# Altium PCB ROV_MAIN_PCB02.PcbDoc
Units mm, origin at the board's own origin, x right, y up, seen from the top; angles counter-clockwise.
Board outline 75.82 x 67.44 mm, 2 copper layers (Top Layer, Bottom Layer); 22 components, 47 nets, 162 pads, 4 vias.
Unrouted connection lines stored in the file: 11.
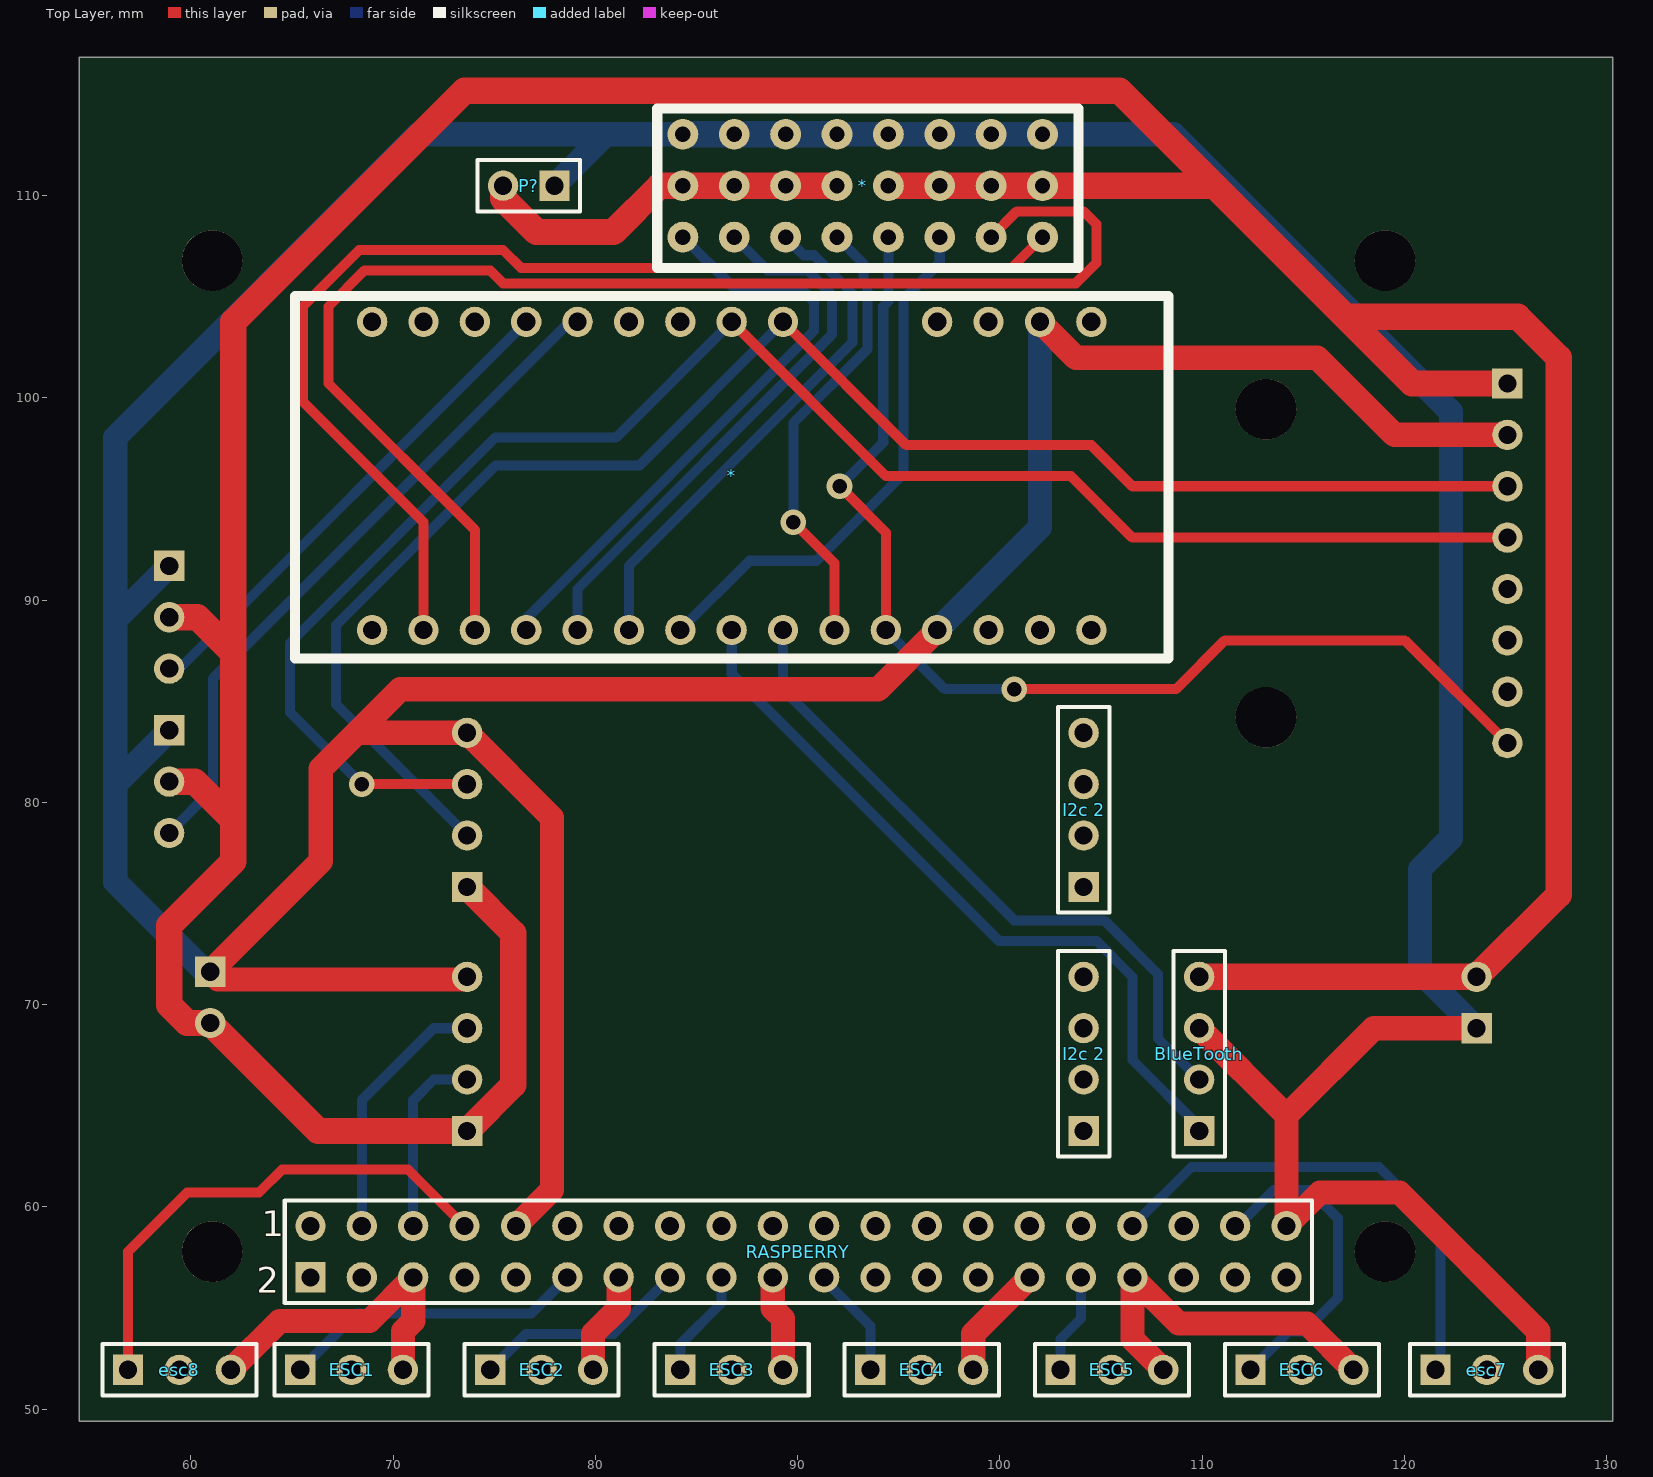
[diagram p0: Top Layer view]
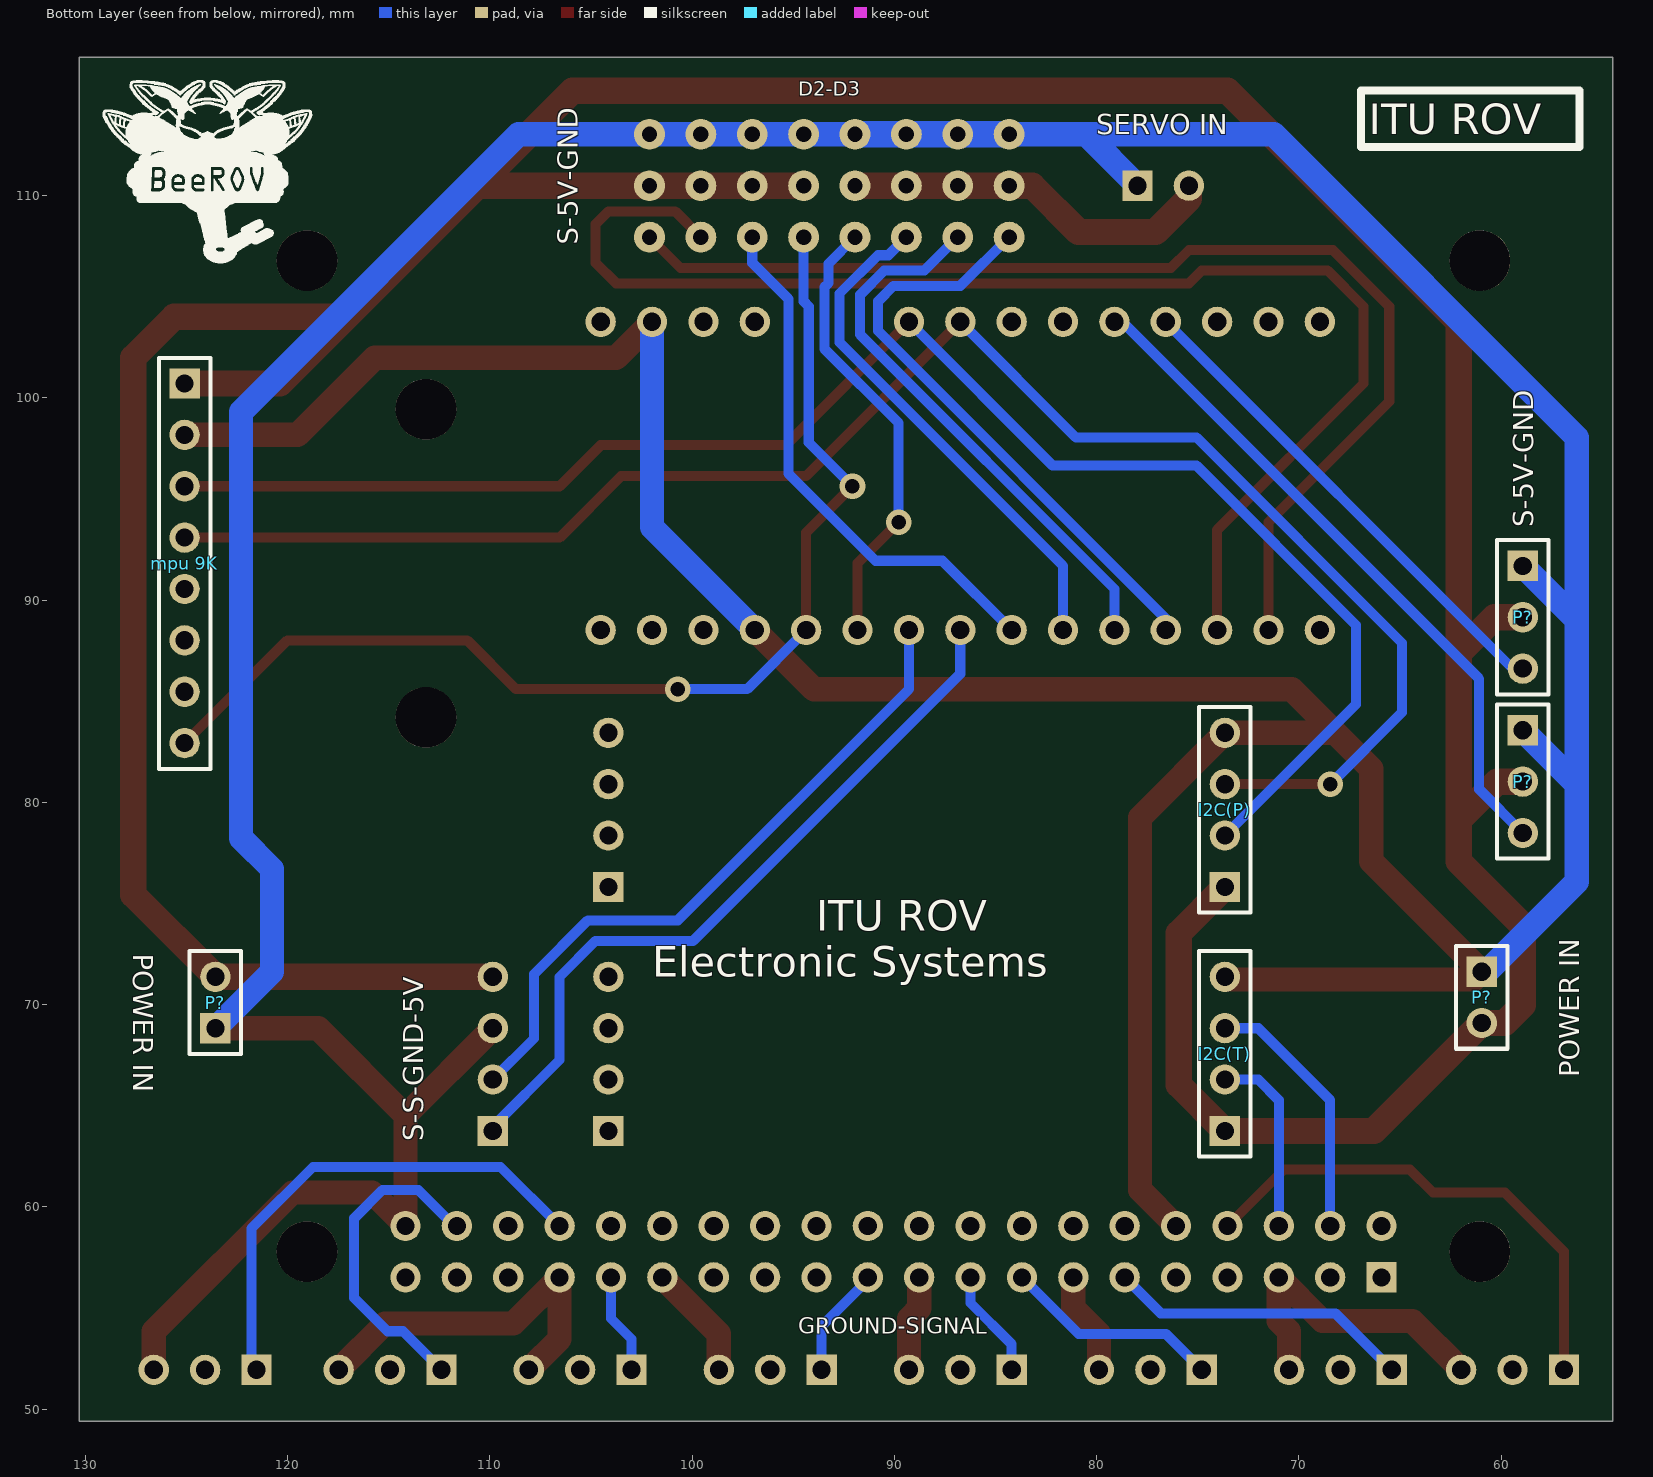
[diagram p1: Bottom Layer view, seen from below]

## Layer stack, top to bottom
Top Solder: solder mask 0.0102, Solder Resist, Dk 3.5
Top Layer: signal copper 0.0356
Dielectric 1: dielectric 0.32, FR-4, Dk 4.8
Bottom Layer: signal copper 0.0356
Bottom Solder: solder mask 0.0102, Solder Resist, Dk 3.5

## Board outline
54.483,49.403 130.302,49.403 130.302,116.84 54.483,116.84

## Design rules (kind name [scope] priority, off if disabled: settings)
Clearance [All] p1: gap=0.254
PolygonConnect [All] p1: connectstyle=Relief reliefconductorwidth=0.254 reliefentries=4 polygonreliefangle="90 Angle" airgapwidth=0.254
RoutingVias [All] p1: holewidth=0.711 width=1.27 viastyle="Through Hole" minholewidth=0.711 minwidth=1.27 maxholewidth=0.711 maxwidth=1.27
SolderMaskExpansion [All] p1: expansion=0.102
Width [All] p1: maxlimit=5.08 minlimit=0.051 preferedwidth=0.254
30 further rules are at their usual default settings.

## Classes and differential pairs
component class ROV_MAIN_SCHEMATIC01: 9K * BlueTooth ESC1 ESC2 ESC3 ESC4 ESC5 ESC6 esc7 esc8 "I2c 2" I2C(P) I2C(T) "mpu 9K" P? RASPBERRY

## Components (designator, comment, footprint, x,y, rotation, side; value= is the part's Value field where it differs from the comment)
* "Component_1" "Arduino Nano" -1144.778,1340.104 r90 top
* "Component_1" PCBComponent_1 -1160.907,-1151.89 r180 top
BlueTooth "Header 4" HDR1X4 109.855,63.754 r90 top
ESC1 "Header 3" HDR1X3 65.405,51.943 r0 top (schematic designator esc1)
ESC2 "Header 3" HDR1X3 74.803,51.943 r0 top (schematic designator esc2)
ESC3 "Header 3" HDR1X3 84.201,51.943 r0 top (schematic designator esc3)
ESC4 "Header 3" HDR1X3 93.599,51.943 r0 top (schematic designator esc4)
ESC5 "Header 3" HDR1X3 102.997,51.943 r0 top (schematic designator esc5)
ESC6 "Header 3" HDR1X3 112.395,51.943 r0 top (schematic designator esc6)
esc7 "Header 3" HDR1X3 121.539,51.943 r0 top
esc8 "Header 3" HDR1X3 56.896,51.943 r0 top
"I2c 2" "Header 4" HDR1X4 104.14,75.819 r90 top
"I2c 2" "Header 4" HDR1X4 104.14,63.754 r90 top
I2C(P) "Header 4" HDR1X4 73.66,75.819 r90 bottom
I2C(T) "Header 4" HDR1X4 73.66,63.754 r90 bottom
"mpu 9K" "DIREK RASP" HDR1X8 125.095,100.711 r270 bottom
P? "Header 2" HDR1X2 77.978,110.49 r180 top
P? "Header 3" HDR1X3 58.928,83.566 r270 bottom
P? "Header 3" HDR1X3 58.928,91.694 r270 bottom
P? "Header 2" HDR1X2 60.96,71.628 r270 bottom
P? "Header 2" HDR1X2 123.571,68.834 r90 bottom
RASPBERRY "Header 20X2" HDR2X20 65.913,56.515 r0 top

## Footprints (in the part's own frame and the unit in brackets; to place one, negate y for a bottom-side part, rotate by r counter-clockwise, add the part's x,y. Pads: shape width x height; smd on the part's side, far side on the other; paste and mask are expansions set on the pad)
"Arduino Nano" [mm]
  round 1.5 hole 0.9: 1(-1236.345,-1213.739) 2(-1236.345,-1216.279) 3(-1236.345,-1218.819) 4(-1236.345,-1221.359) 5(-1236.345,-1223.899) 6(-1236.345,-1226.439) 7(-1236.345,-1228.979) 8(-1236.345,-1231.519) 9(-1236.345,-1234.059) 12(-1236.345,-1241.679) 13(-1236.345,-1244.219) 14(-1236.345,-1246.759) 15(-1236.345,-1249.299) 16(-1251.585,-1249.299) 17(-1251.585,-1246.759) 18(-1251.585,-1244.219) 19(-1251.585,-1241.679) 20(-1251.585,-1239.139) 21(-1251.585,-1236.599) 22(-1251.585,-1234.059) 23(-1251.585,-1231.519) 24(-1251.585,-1228.979) 25(-1251.585,-1226.439) 26(-1251.585,-1223.899) 27(-1251.585,-1221.359) 28(-1251.585,-1218.819) 29(-1251.585,-1216.279) 30(-1251.585,-1213.739)
  silkscreen extent -1252.98,-1253.11 -1235.08,-1209.93, body extent -1253.11,-1253 -1235.11,-1208, height 8.5
HDR1X2 [mm] "Connector; Header; 2 Position"
  rect 1.5x1.5 hole 0.9: 1(0,0)
  round 1.5 hole 0.9: 2(2.54,0)
  silkscreen extent -1.27,-1.27 3.81,1.27
HDR1X3 [mm] "Connector; Header; 3 Position"
  rect 1.5x1.5 hole 0.9: 1(0,0)
  round 1.5 hole 0.9: 2(2.54,0) 3(5.08,0)
  silkscreen extent -1.27,-1.27 6.35,1.27
HDR1X4 [mm] "Connector; Header; 4 Position"
  rect 1.5x1.5 hole 0.9: 1(0,0)
  round 1.5 hole 0.9: 2(2.54,0) 3(5.08,0) 4(7.62,0)
  silkscreen extent -1.27,-1.27 8.89,1.27
HDR1X8 [mm] "Connector; Header; 8 Position"
  rect 1.5x1.5 hole 0.9: 1(0,0)
  round 1.5 hole 0.9: 2(2.54,0) 3(5.08,0) 4(7.62,0) 5(10.16,0) 6(12.7,0) 7(15.24,0) 8(17.78,0)
  silkscreen extent -1.27,-1.27 19.05,1.27
HDR2X20 [mm] "Connector; Header; 20x2 Position"
  rect 1.5x1.5 hole 0.9: 1(0,0)
  round 1.5 hole 0.9: 2(0,2.54) 3(2.54,0) 4(2.54,2.54) 5(5.08,0) 6(5.08,2.54) 7(7.62,0) 8(7.62,2.54) 9(10.16,0) 10(10.16,2.54) 11(12.7,0) 12(12.7,2.54) 13(15.24,0) 14(15.24,2.54) 15(17.78,0) 16(17.78,2.54) 17(20.32,0) 18(20.32,2.54) 19(22.86,0) 20(22.86,2.54) 21(25.4,0) 22(25.4,2.54) 23(27.94,0) 24(27.94,2.54) 25(30.48,0) 26(30.48,2.54) 27(33.02,0) 28(33.02,2.54) 29(35.56,0) 30(35.56,2.54) 31(38.1,0) 32(38.1,2.54) 33(40.64,0) 34(40.64,2.54) 35(43.18,0) 36(43.18,2.54) 37(45.72,0) 38(45.72,2.54) 39(48.26,0) 40(48.26,2.54)
  silkscreen extent -1.27,-1.27 49.53,3.81
PCBComponent_1 [mil]
  round 60 hole 30: 1(-49725,-49600) 2(-49625,-49600) 3(-49525,-49600) 4(-49425,-49600) 5(-49325,-49600) 6(-49225,-49600) 7(-49125,-49600) 8(-49025,-49600) 9(-49725,-49700) 9(-49625,-49700) 9(-49525,-49700) 9(-49425,-49700) 9(-49325,-49700) 9(-49225,-49700) 9(-49125,-49700) 9(-49025,-49700) 10(-49725,-49800) 10(-49625,-49800) 10(-49525,-49800) 10(-49425,-49800) 10(-49325,-49800) 10(-49225,-49800) 10(-49125,-49800) 10(-49025,-49800)
  silkscreen extent -49795,-49850 -48975,-49540

## Part data
BlueTooth "I2c 2" "I2c 2" I2C(P) I2C(T): "Header, 4-Pin"
ESC1 ESC2 ESC3 ESC4 ESC5 ESC6 esc7 esc8 P? P?: "Header, 3-Pin"
"mpu 9K": library part "Header 8", "Header, 8-Pin"
P? P? P?: "Header, 2-Pin"
RASPBERRY: "Header, 20-Pin, Dual row"

## Free pads (board coordinates)
  round 3 hole 3: 0(113.161,99.441) 1(61.051,106.785) 1(113.161,84.201) 3(119.041,106.785) 4(61.051,57.785) 5(119.041,57.785)

## Via types
v1: diameter 1.27, hole 0.711, Top Layer to Bottom Layer, 4 vias

## Nets (pads, with @x,y where several pads share a name; then routed paths per layer and width w, separated by ;. In a path a pad name is that pad's centre, name@x,y a point inside that pad or via, vN(x,y) a via of type N, cw(c..) or ccw(c..) an arc to the next point about the centre after c; other vN are vias at no path point)
3.3V: RASPBERRY.2 RASPBERRY.18
5V: "mpu 9K.1" *.9@84.328,110.49 *.9@86.868,110.49 *.9@89.408,110.49 *.9@91.948,110.49 *.9@94.488,110.49 *.9@97.028,110.49 *.9@99.568,110.49 *.9@102.108,110.49 *.12 BlueTooth.4 I2C(P).1 I2C(T).1 P?.2 RASPBERRY.1 RASPBERRY.3 | length 240.3
  Top Layer w1.3: P?.2@58.928,81.026 60.198,81.026 62.103,79.121 ; P?.2@58.928,89.154 60.325,89.154 62.103,87.376 ; 73.66,75.819 75.946,73.533 75.946,66.04 73.66,63.754 66.294,63.754 60.96,69.088 59.817,69.088 58.928,69.977 58.928,73.914 62.103,77.089 62.103,79.121 ; P?.2@75.438,110.49 75.438,109.855 77.089,108.204 80.899,108.204 83.185,110.49 84.328,110.49 86.868,110.49 89.408,110.49 *.9@91.948,110.49 ; *.9@94.488,110.49 97.028,110.49 99.568,110.49 102.108,110.49 110.617,110.49 ; BlueTooth.4 123.571,71.374 127.635,75.438 127.635,101.981 125.603,104.013 117.094,104.013 ; 125.095,100.711 120.396,100.711 117.094,104.013 ; 62.103,79.121 62.103,87.376 ; 62.103,87.376 62.103,103.759 73.533,115.189 105.918,115.189 110.617,110.49 ; 110.617,110.49 117.094,104.013
A1: *.5@79.121,103.759 P?.3@58.928,78.486 | length 33.9
  Bottom Layer w0.5: P?.3@58.928,78.486 61.087,80.645 61.087,86.106 78.74,103.759 *.5@79.121,103.759
A01: *.4@76.581,103.759 P?.3@58.928,86.614 | length 24.8
  Bottom Layer w0.5: P?.3@58.928,86.614 59.436,86.614 *.4@76.581,103.759
D2: "mpu 9K.8" *.4@94.488,107.95 *.20 | length 55.9
  Top Layer w0.5: v1@92.202,95.504 94.361,93.345 *.20 ; v1@101.092,85.598 108.712,85.598 111.125,88.011 120.015,88.011 125.095,82.931
  Bottom Layer w0.5: v1(92.075,95.631) 94.234,97.79 94.234,104.521 94.488,104.775 *.4@94.488,107.95 ; *.20 97.282,85.598 v1(100.711,85.598)
D3: *.5@91.948,107.95 *.21 | length 22.2
  Top Layer w0.5: v1@89.916,93.726 91.821,91.821 *.21
  Bottom Layer w0.5: v1(89.789,93.853) 89.789,98.756 93.464,102.431 93.464,105.468 93.26,105.672 93.26,106.638 *.5@91.948,107.95
D4: *.22 BlueTooth.2 | length 33.4
  Bottom Layer w0.5: *.22 89.281,85.598 100.711,74.168 105.156,74.168 107.823,71.501 107.823,68.326 BlueTooth.2
D5: *.23 BlueTooth.1 | length 37.2
  Bottom Layer w0.5: *.23 86.741,86.36 99.949,73.152 104.775,73.152 106.561,71.366 106.561,67.26 109.855,63.966 BlueTooth.1
D6: *.3@97.028,107.95 *.24 | length 26.7
  Bottom Layer w0.5: *.24 87.63,91.948 90.932,91.948 95.242,96.258 95.242,104.894 97.028,106.68 *.3@97.028,107.95
D7: *.6@89.408,107.95 *.25 | length 25.7
  Bottom Layer w0.5: *.25 81.661,91.694 92.71,102.743 92.71,105.156 90.813,107.053 90.305,107.053 *.6@89.408,107.95
D8: *.7@86.868,107.95 *.26 | length 27.8
  Bottom Layer w0.5: *.26 79.121,90.551 91.694,103.124 91.694,105.106 90.501,106.299 88.519,106.299 *.7@86.868,107.95
D9: *.8@84.328,107.95 *.27 | length 29.9
  Bottom Layer w0.5: *.27 76.581,89.077 90.805,103.301 90.805,104.775 90.043,105.537 86.741,105.537 *.8@84.328,107.95
D10: *.2@99.568,107.95 *.28 | length 66.3
  Top Layer w0.5: *.28 74.041,93.472 66.802,100.711 66.802,104.521 68.58,106.299 74.803,106.299 75.438,105.664 103.759,105.664 104.775,106.68 104.775,108.585 104.14,109.22 100.838,109.22 *.2@99.568,107.95
D11: *.1@102.108,107.95 *.29 | length 57.2
  Top Layer w0.5: *.29 71.501,93.853 65.532,99.822 65.532,104.521 68.326,107.315 75.438,107.315 76.335,106.418 100.576,106.418 *.1@102.108,107.95
GPIO02: I2C(T).3 RASPBERRY.4 | length 12.9
  Bottom Layer w0.5: RASPBERRY.4 68.453,65.278 72.009,68.834 73.66,68.834
GPIO03: I2C(T).2 RASPBERRY.6 | length 9.3
  Bottom Layer w0.5: RASPBERRY.6 70.993,65.278 72.009,66.294 73.66,66.294
GPIO04: esc8.1 RASPBERRY.8 | length 25.3
  Top Layer w0.5: esc8.1 56.896,57.785 59.817,60.706 63.373,60.706 64.516,61.849 70.739,61.849 RASPBERRY.8
GPIO05: RASPBERRY.30
GPIO06: RASPBERRY.32
GPIO07: RASPBERRY.25
GPIO08: RASPBERRY.23
GPIO09: RASPBERRY.22
GPIO10: RASPBERRY.20
GPIO11: RASPBERRY.24
GPIO12: ESC5.1 RASPBERRY.31 | length 5
  Bottom Layer w0.5: ESC5.1 102.997,53.467 104.013,54.483 RASPBERRY.31
GPIO13: esc7.1 RASPBERRY.34 | length 24.8
  Bottom Layer w0.5: RASPBERRY.34 109.474,61.976 118.745,61.976 121.793,58.928 121.793,52.197 esc7.1
GPIO14: RASPBERRY.7
GPIO15: RASPBERRY.9
GPIO16: RASPBERRY.35
GPIO17: RASPBERRY.12
GPIO18: ESC1.1 RASPBERRY.11 | length 15.1
  Bottom Layer w0.5: ESC1.1 68.199,54.737 76.835,54.737 RASPBERRY.11
GPIO19: RASPBERRY.36
GPIO20: RASPBERRY.37
GPIO21: RASPBERRY.39
GPIO22: RASPBERRY.16
GPIO23: ESC2.1 RASPBERRY.15 | length 11
  Top Layer w0.5: ESC2.1 ESC2.1@75.057,51.943
  Bottom Layer w0.5: ESC2.1 76.581,53.721 80.899,53.721 RASPBERRY.15
GPIO24: ESC3.1 RASPBERRY.17 | length 5.4
  Bottom Layer w0.5: ESC3.1 84.201,53.213 86.233,55.245 RASPBERRY.17
GPIO25: ESC4.1 RASPBERRY.21 | length 5.5
  Bottom Layer w0.5: RASPBERRY.21 91.313,56.388 93.599,54.102 ESC4.1
GPIO26: ESC6.1 RASPBERRY.38 | length 16.1
  Bottom Layer w0.5: RASPBERRY.38 111.76,59.055 113.538,60.833 115.316,60.833 116.713,59.436 116.713,55.499 115.062,53.848 114.3,53.848 ESC6.1
GPIO27: RASPBERRY.14
GROUND: "mpu 9K.2" *.10 *.14 *.19 BlueTooth.3 ESC1.3 ESC2.3 ESC3.3 ESC4.3 ESC5.3 ESC6.3 esc7.3 esc8.3 I2C(P).4 I2C(T).4 P?.1 RASPBERRY.5 RASPBERRY.10 RASPBERRY.13 RASPBERRY.19 RASPBERRY.26 RASPBERRY.29 RASPBERRY.33 RASPBERRY.40 | length 373.4
  Top Layer w1.2: esc8.3 64.389,54.356 68.834,54.356 RASPBERRY.5 70.993,54.356 70.485,53.848 ESC1.3 ; 73.66,71.374 73.533,71.247 61.341,71.247 60.96,71.628 66.421,77.089 66.421,81.661 68.199,83.439 ; RASPBERRY.10 77.851,60.833 77.851,79.248 73.66,83.439 68.199,83.439 ; ESC2.3 79.883,53.721 81.153,54.991 RASPBERRY.13 ; RASPBERRY.19 88.773,54.991 89.281,54.483 ESC3.3 ; *.19 93.98,85.598 70.358,85.598 68.199,83.439 ; ESC4.3 98.679,53.721 RASPBERRY.29 ; *.14 103.759,101.981 115.697,101.981 119.507,98.171 125.095,98.171 ; ESC5.3 106.553,53.467 RASPBERRY.33 108.839,54.229 115.189,54.229 ESC6.3 ; BlueTooth.3 114.173,64.516 ; P?.1@123.571,68.834 118.491,68.834 114.173,64.516 ; esc7.3 126.619,53.848 119.761,60.706 115.824,60.706 RASPBERRY.40 114.173,64.516
  Bottom Layer w1.2: P?.1@58.928,83.566 56.261,80.899 ; P?.1@58.928,91.694 56.261,89.027 ; P?.1@60.96,71.628 60.706,71.628 56.261,76.073 56.261,80.899 ; P?.1@77.978,110.49 80.518,113.03 ; *.10@84.328,113.03 80.518,113.03 ; *.10@91.948,113.03 94.488,113.03 97.028,113.03 99.568,113.03 102.108,113.03 108.585,113.03 122.301,99.314 122.301,78.232 120.777,76.708 120.777,71.628 P?.1@123.571,68.834 ; *.19 101.981,93.599 *.14 ; 56.261,80.899 56.261,89.027 ; 56.261,89.027 56.261,98.044 71.247,113.03 80.518,113.03
  Bottom Layer w1.3: *.10@84.328,113.03 86.868,113.03 89.408,113.03 *.10@91.948,113.03
ID_SC: RASPBERRY.27
ID_SD: RASPBERRY.28
RX: *.2@71.501,103.759
SCL: "mpu 9K.3" *.9@89.281,103.759 I2C(P).2 | length 80.6
  Top Layer w0.5: *.9@89.281,103.759 95.377,97.663 104.521,97.663 106.553,95.631 125.095,95.631
  Bottom Layer w0.5: 73.66,78.359 67.183,84.836 67.183,88.773 75.057,96.647 82.169,96.647 *.9@89.281,103.759
SDA: "mpu 9K.4" *.8@86.741,103.759 I2C(P).3 | length 84.9
  Top Layer w0.5: v1(68.453,80.899) 73.66,80.899 ; *.8@86.741,103.759 94.361,96.139 103.505,96.139 106.553,93.091 125.095,93.091
  Bottom Layer w0.5: v1(68.453,80.899) 64.897,84.455 64.897,87.884 75.057,98.044 81.026,98.044 *.8@86.741,103.759
TX: *.1@68.961,103.759
pads on no net: "I2c 2.1" "I2c 2.2" "I2c 2.3" "I2c 2.4" "mpu 9K.5" "mpu 9K.6" "mpu 9K.7" *.3@74.041,103.759 *.6@81.661,103.759 *.7@84.201,103.759 *.13 *.15 *.16 *.17 *.18 *.30 ESC1.2 ESC2.2 ESC3.2 ESC4.2 ESC5.2 ESC6.2 esc7.2 esc8.2

## Silkscreen, mask and mechanical layers (free items; w line width, h text height)
Bottom Overlay:
  drawing of 2003 lines, arcs and shapes, not listed
  text "D2-D3" at 94.742,114.935 h0.7
  text "ITU ROV" at 66.548,113.03 h1.52
  text "SERVO IN" at 80.01,113.03 h1
  text "S-5V-GND" at 105.664,107.569 h1 r270
  text "S-5V-GND" at 58.42,93.599 h1 r270
  text "ITU ROV" at 93.853,73.66 h1.5
  text "POWER IN" at 127.635,72.517 h1 r90
  text "Electronic Systems" at 101.981,71.374 h1.5
  text "POWER IN" at 56.134,66.421 h1 r270
  text "S-S-GND-5V" at 113.284,63.246 h1 r270
  text "GROUND-SIGNAL" at 94.742,53.721 h0.8
Mechanical 1:
  the board outline again, w1.27

## Text inside footprints (layer, text, board x,y; h text height)
RASPBERRY: Top Overlay "2" at 63.246,55.753 h1.27; Top Overlay "1" at 63.5,58.547 h1.27